# Altium PCB miniBackplane.PcbDoc (part 16 of 24) (continued)
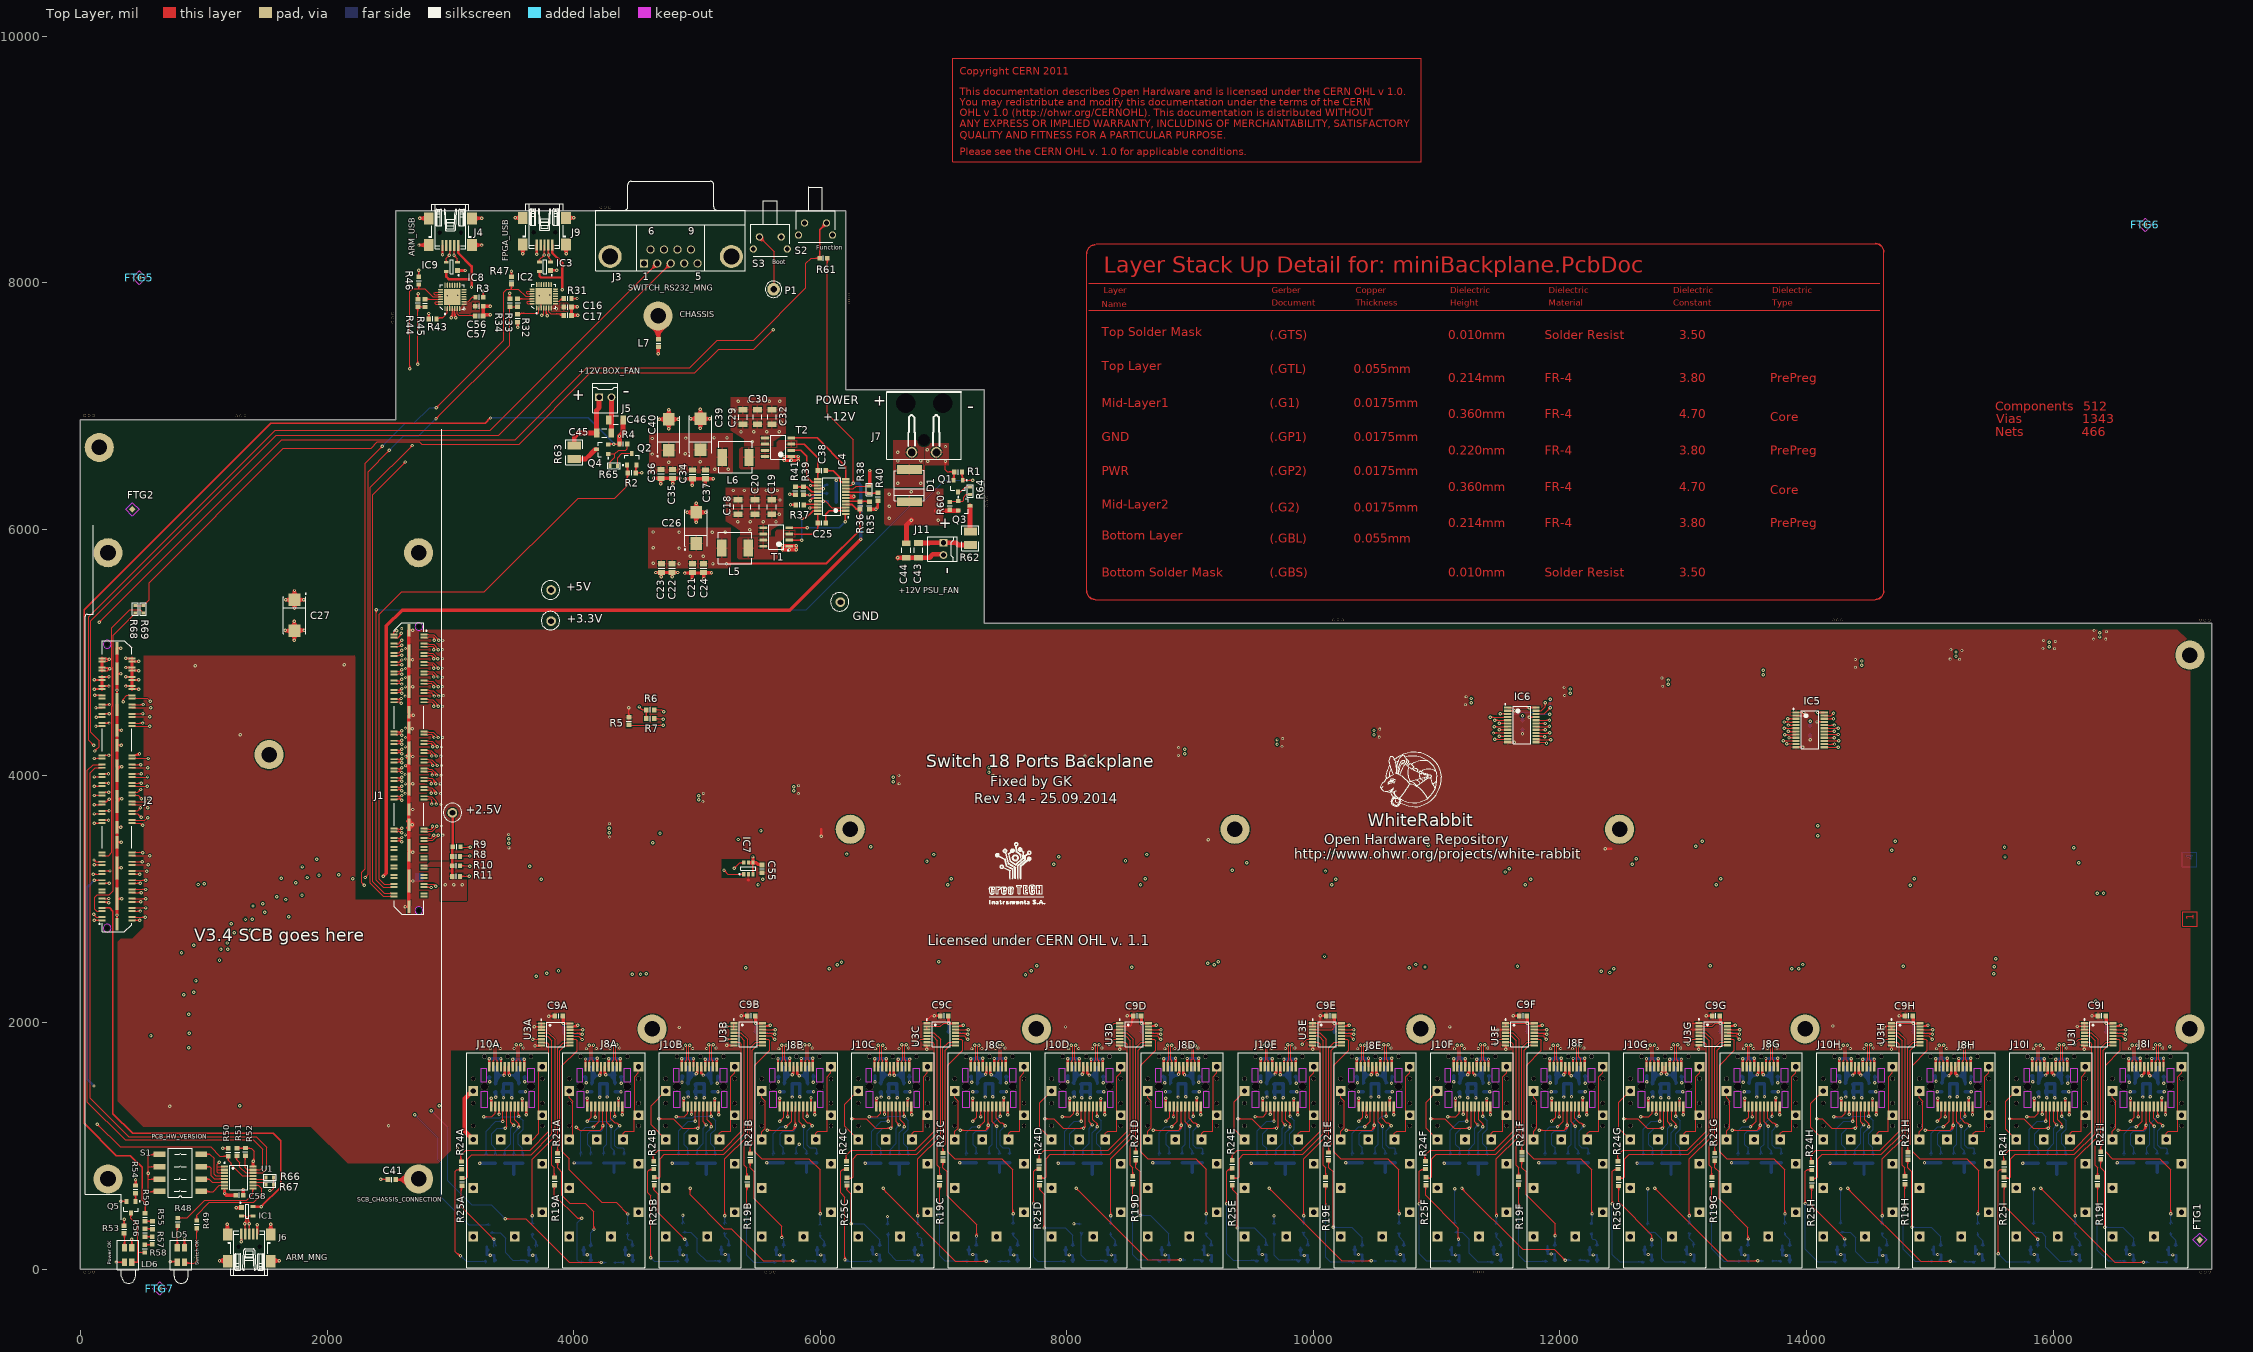
[diagram p0: Top Layer view]
## Nets (pads, with @x,y where several pads share a name; then routed paths per layer and width w, separated by ;. In a path a pad name is that pad's centre, name@x,y a point inside that pad or via, vN(x,y) a via of type N, cw(c..) or ccw(c..) an arc to the next point about the centre after c; other vN are vias at no path point) (continued)
MGTTX113_2_N: J1.28 J8F.19 | length 13186
  Top Layer w9.84: J1.28@2559.06,4672.49 2575.71,4672.49 ; J1.28@2565.87,4670.47 cw(c2578.15,4658.9) 2577.64,4675.76 ; v1(2605.71,4670.16) 2595.87,4680 ; v1(11947.01,1815.56) 11956.85,1805.72 ; J8F.19@11948.98,1673.24 11948.98,1690.56 11956.85,1698.43 11956.85,1805.72 ; 2575.71,4675 cw(c2570.54,4680.17) 2565.68,4674.7 ccw(c2570.54,4680.17) 2575.71,4675 ; 2575.71,4675 2580.71,4680 ; 2580.71,4680 cw(c2568.4,4692.31) 2564.4,4675.37 ccw(c2568.4,4692.31) 2580.71,4680 ; 2580.71,4680 cw(c2580.71,4662.8) 2597.21,4667.66 ccw(c2580.71,4662.8) 2580.71,4680 ; 2580.71,4680 2595.87,4680 ; 2595.87,4680 ccw(c2600.47,4684.6) 2602.69,4678.48 cw(c2600.47,4684.6) 2595.87,4680 ; 2595.87,4680 cw(c2591.27,4675.4) 2597.38,4673.18 ccw(c2591.27,4675.4) 2595.87,4680 ; 11948.98,1682.63 ccw(c11960.86,1682.63) 11952.46,1674.23 cw(c11960.86,1682.63) 11948.98,1682.63 ; 11948.98,1682.63 cw(c11937.1,1682.63) 11945.5,1674.23 ccw(c11937.1,1682.63) 11948.98,1682.63 ; 11956.85,1805.72 ccw(c11952.25,1801.12) 11950.03,1807.23 cw(c11952.25,1801.12) 11956.85,1805.72 ; 11956.85,1805.72 cw(c11961.45,1810.32) 11955.33,1812.54 ccw(c11961.45,1810.32) 11956.85,1805.72 ; 2593.87,4680 cw(c2593.87,4666.67) 2606.65,4670.44 ccw(c2593.87,4666.67) 2593.87,4680
  Mid-Layer 2 w7.09: v1(2605.71,4670.16) 2615.55,4680 11942,4680 11956.85,4665.15 11956.85,1825.4 v1(11947.01,1815.56) ; v1@2607.88,4672.44 ccw(c2618.2,4683.31) 2625.74,4670.35 ; v1@2611.75,4678.42 ccw(c2618.86,4688.16) 2624.89,4677.72 ; v1@2612.76,4677.58 ccw(c2624.99,4690.46) 2633.92,4675.1 ; v1@2615.6,4667.51 cw(c2629.43,4663.8) 2622.27,4676.21 ; v1@11944.36,1825.45 ccw(c11940.65,1839.28) 11953.06,1832.12 ; 11947.2,1835.59 ccw(c11960.16,1828.05) v1@11949.29,1817.73 ; 11951.95,1843.77 ccw(c11967.31,1834.84) v1@11954.43,1822.61 ; 11954.57,1834.74 ccw(c11965.01,1828.71) v1@11955.27,1821.6 ; v1@2602.92,4672.94 cw(c2619.97,4655.9) 2619.97,4680 ccw(c2619.97,4655.9) v1@2602.92,4672.94 ; v1@2607.94,4667.93 cw(c2637.07,4638.79) 2637.07,4680 ccw(c2637.07,4638.79) v1@2607.94,4667.93 ; v1@2612.95,4662.92 cw(c2654.18,4621.68) 2654.18,4680 ccw(c2654.18,4621.68) v1@2612.95,4662.92 ; v1@11939.77,1822.8 ccw(c11898.53,1864.03) 11956.85,1864.03 cw(c11898.53,1864.03) v1@11939.77,1822.8 ; v1@11944.78,1817.79 ccw(c11915.64,1846.92) 11956.85,1846.92 cw(c11915.64,1846.92) v1@11944.78,1817.79 ; v1@11949.79,1812.78 ccw(c11932.75,1829.82) 11956.85,1829.82 cw(c11932.75,1829.82) v1@11949.79,1812.78
MGTTX113_2_P: J1.26 J8F.18 | length 13142.5
  Top Layer w9.84: J1.26@2562.99,4697.49 2575.71,4697.49 ; v1(2605.71,4705.59) 2595.87,4695.75 ; J8F.18@11980.47,1673.24 11980.47,1690.56 11972.6,1698.43 11972.6,1805.72 ; v1(11982.44,1815.56) 11972.6,1805.72 ; 2577.45,4695.75 ccw(c2577.45,4717.59) 2597.55,4709.05 cw(c2577.45,4717.59) 2577.45,4695.75 ; 2577.45,4695.75 2595.87,4695.75 ; 2595.87,4695.75 ccw(c2591.27,4700.35) 2597.38,4702.57 cw(c2591.27,4700.35) 2595.87,4695.75 ; 2595.87,4695.75 cw(c2600.47,4691.15) 2602.69,4697.26 ccw(c2600.47,4691.15) 2595.87,4695.75 ; 11972.6,1805.72 ccw(c11968,1810.32) 11974.11,1812.54 cw(c11968,1810.32) 11972.6,1805.72 ; 11972.6,1805.72 cw(c11977.2,1801.12) 11979.42,1807.23 ccw(c11977.2,1801.12) 11972.6,1805.72 ; 11980.47,1682.63 ccw(c11992.35,1682.63) 11983.95,1674.23 cw(c11992.35,1682.63) 11980.47,1682.63 ; 11980.47,1682.63 cw(c11968.59,1682.63) 11976.99,1674.23 ccw(c11968.59,1682.63) 11980.47,1682.63 ; 2592.32,4695.75 ccw(c2592.32,4711.27) 2606.61,4705.21 cw(c2592.32,4711.27) 2592.32,4695.75
  Mid-Layer 2 w7.09: v1(2605.71,4705.59) 2615.55,4695.75 11948.52,4695.75 11972.6,4671.67 11972.6,1825.4 v1(11982.44,1815.56) ; v1@2607.88,4703.31 cw(c2618.2,4692.43) 2625.74,4705.4 ; v1@2611.75,4697.33 cw(c2618.86,4687.59) 2624.89,4698.03 ; v1@2612.76,4698.17 cw(c2624.99,4685.29) 2633.92,4700.65 ; v1@2615.6,4708.24 ccw(c2629.43,4711.95) 2622.27,4699.54 ; v1@11974.18,1821.6 ccw(c11964.44,1828.71) 11974.88,1834.74 ; v1@11975.02,1822.61 ccw(c11962.14,1834.84) 11977.5,1843.77 ; 11976.39,1832.12 ccw(c11988.8,1839.28) v1@11985.09,1825.45 ; v1@11980.16,1817.73 ccw(c11969.28,1828.05) 11982.25,1835.59 ; v1@2602.92,4702.81 ccw(c2619.97,4719.85) 2619.97,4695.75 cw(c2619.97,4719.85) v1@2602.92,4702.81 ; v1@2607.94,4707.82 ccw(c2637.07,4736.96) 2637.07,4695.75 cw(c2637.07,4736.96) v1@2607.94,4707.82 ; v1@2612.95,4712.83 ccw(c2654.18,4754.07) 2654.18,4695.75 cw(c2654.18,4754.07) v1@2612.95,4712.83 ; 11972.6,1829.82 ccw(c11996.7,1829.82) 11979.66,1812.78 cw(c11996.7,1829.82) 11972.6,1829.82 ; 11972.6,1846.92 ccw(c12013.81,1846.92) 11984.67,1817.79 cw(c12013.81,1846.92) 11972.6,1846.92 ; 11972.6,1864.03 ccw(c12030.92,1864.03) 11989.68,1822.8 cw(c12030.92,1864.03) 11972.6,1864.03
MGTTX113_3_N: J1.32 J10F.19 | length 12226.2
  Top Layer w9.84: J1.32@2559.06,4597.49 2575.71,4597.49 2580.33,4602.12 ; v1(2600.71,4590) 2588.59,4602.12 ; v1(11167.01,1815.56) 11176.85,1805.72 ; J10F.19@11168.98,1669.3 11168.98,1690.56 11176.85,1698.43 11176.85,1805.72 ; 2580.33,4602.12 cw(c2571.4,4611.05) 2565.18,4600.06 ccw(c2571.4,4611.05) 2580.33,4602.12 ; 2580.33,4602.12 2588.59,4602.12 ; 2588.59,4602.12 ccw(c2597.18,4610.71) 2599.22,4598.73 cw(c2597.18,4610.71) 2588.59,4602.12 ; 2588.59,4602.12 cw(c2580,4593.53) 2591.98,4591.49 ccw(c2580,4593.53) 2588.59,4602.12 ; 11168.98,1682.63 ccw(c11180.86,1682.63) 11172.46,1674.23 cw(c11180.86,1682.63) 11168.98,1682.63 ; 11168.98,1682.63 cw(c11157.1,1682.63) 11165.5,1674.23 ccw(c11157.1,1682.63) 11168.98,1682.63 ; 11176.85,1805.72 ccw(c11172.25,1801.12) 11170.03,1807.23 cw(c11172.25,1801.12) 11176.85,1805.72 ; 11176.85,1805.72 cw(c11181.45,1810.32) 11175.33,1812.54 ccw(c11181.45,1810.32) 11176.85,1805.72
  Mid-Layer 2 w7.09: v1@2602.87,4592.29 ccw(c2613.18,4603.23) 2620.76,4590.25 ; v1@2605.71,4600 11163.78,4600 11176.85,4586.93 11176.85,1825.4 v1(11167.01,1815.56) ; v1@2606.64,4598.34 ccw(c2613.88,4608.51) 2620.13,4597.7 ; v1@2607.73,4597.45 ccw(c2619.96,4610.41) 2628.94,4595.02 ; v1@2610.6,4587.35 cw(c2624.43,4583.64) 2617.27,4596.05 ; v1@11164.36,1825.45 ccw(c11160.65,1839.28) 11173.06,1832.12 ; 11167.2,1835.59 ccw(c11180.16,1828.05) v1@11169.29,1817.73 ; 11171.95,1843.77 ccw(c11187.31,1834.84) v1@11174.43,1822.61 ; 11174.57,1834.74 ccw(c11185.01,1828.71) v1@11175.27,1821.6 ; v1@2597.92,4592.78 cw(c2615.35,4575.36) 2615.35,4600 ccw(c2615.35,4575.36) v1@2597.92,4592.78 ; v1@2602.94,4587.77 cw(c2632.45,4558.25) 2632.45,4600 ccw(c2632.45,4558.25) v1@2602.94,4587.77 ; v1@2607.95,4582.76 cw(c2649.56,4541.15) 2649.56,4600 ccw(c2649.56,4541.15) v1@2607.95,4582.76 ; v1@11159.77,1822.8 ccw(c11118.53,1864.03) 11176.85,1864.03 cw(c11118.53,1864.03) v1@11159.77,1822.8 ; v1@11164.78,1817.79 ccw(c11135.64,1846.92) 11176.85,1846.92 cw(c11135.64,1846.92) v1@11164.78,1817.79 ; v1@11169.79,1812.78 ccw(c11152.75,1829.82) 11176.85,1829.82 cw(c11152.75,1829.82) v1@11169.79,1812.78
MGTTX113_3_P: J1.30 J10F.18 | length 12305.4
  Top Layer w9.84: J1.30@2559.06,4622.49 2575.71,4622.49 2580.33,4617.87 ; v1(2600.71,4627.71) 2590.87,4617.87 ; J10F.18@11200.47,1669.3 11200.47,1690.56 11192.6,1698.43 11192.6,1805.72 ; v1(11202.44,1815.56) 11192.6,1805.72 ; 2580.33,4617.87 ccw(c2571.4,4608.94) 2565.18,4619.92 cw(c2571.4,4608.94) 2580.33,4617.87 ; 2580.34,4617.87 ccw(c2580.34,4629.46) 2591.88,4628.47 cw(c2580.34,4629.46) 2580.34,4617.87 ; 2580.33,4617.87 2590.87,4617.87 ; 2590.87,4617.87 ccw(c2586.27,4622.47) 2592.38,4624.69 cw(c2586.27,4622.47) 2590.87,4617.87 ; 2590.87,4617.87 cw(c2595.47,4613.27) 2597.69,4619.38 ccw(c2595.47,4613.27) 2590.87,4617.87 ; 11192.6,1805.72 ccw(c11188,1810.32) 11194.11,1812.54 cw(c11188,1810.32) 11192.6,1805.72 ; 11192.6,1805.72 cw(c11197.2,1801.12) 11199.42,1807.23 ccw(c11197.2,1801.12) 11192.6,1805.72 ; 11200.47,1682.63 ccw(c11212.35,1682.63) 11203.95,1674.23 cw(c11212.35,1682.63) 11200.47,1682.63 ; 11200.47,1682.63 cw(c11188.59,1682.63) 11196.99,1674.23 ccw(c11188.59,1682.63) 11200.47,1682.63
  Mid-Layer 2 w7.09: v1@2602.78,4625.34 cw(c2612.92,4613.72) 2621.05,4626.83 ; v1@2605.46,4618.64 cw(c2613.96,4602.4) 2623.13,4618.28 ; v1@2605.71,4615.75 11170.3,4615.75 11192.6,4593.45 11192.6,1825.4 v1(11202.44,1815.56) ; v1@2607.44,4620 cw(c2619.52,4606.16) 2629.2,4621.77 ; v1@2610.6,4630.36 ccw(c2624.43,4634.07) 2617.27,4621.66 ; v1@11194.18,1821.6 ccw(c11184.44,1828.71) 11194.88,1834.74 ; v1@11195.02,1822.61 ccw(c11182.14,1834.84) 11197.5,1843.77 ; 11196.39,1832.12 ccw(c11208.8,1839.28) v1@11205.09,1825.45 ; v1@11200.16,1817.73 ccw(c11189.28,1828.05) 11202.25,1835.59 ; v1@2597.92,4624.92 ccw(c2620.08,4647.08) 2620.08,4615.75 cw(c2620.08,4647.08) v1@2597.92,4624.92 ; v1@2602.94,4629.94 ccw(c2637.19,4664.19) 2637.19,4615.75 cw(c2637.19,4664.19) v1@2602.94,4629.94 ; v1@2607.95,4634.95 ccw(c2654.3,4681.3) 2654.3,4615.75 cw(c2654.3,4681.3) v1@2607.95,4634.95 ; 11192.6,1829.82 ccw(c11216.7,1829.82) 11199.66,1812.78 cw(c11216.7,1829.82) 11192.6,1829.82 ; 11192.6,1846.92 ccw(c11233.81,1846.92) 11204.67,1817.79 cw(c11233.81,1846.92) 11192.6,1846.92 ; 11192.6,1864.03 ccw(c11250.92,1864.03) 11209.68,1822.8 cw(c11250.92,1864.03) 11192.6,1864.03
MGTTX114_0_N: J1.36 J8E.19 | length 11240.9
  Top Layer w9.84: J1.36@2562.99,4334.99 2575.71,4334.99 2580.71,4340 ; v1(2605.71,4330.16) 2595.87,4340 ; v1(10382.44,1815.56) 10392.28,1805.72 ; J8E.19@10384.41,1673.24 10384.41,1690.56 10392.28,1698.43 10392.28,1805.72 ; 2580.71,4340 cw(c2571.27,4349.44) 2565.09,4337.61 ccw(c2571.27,4349.44) 2580.71,4340 ; 2580.71,4340 cw(c2580.71,4322.8) 2597.21,4327.66 ccw(c2580.71,4322.8) 2580.71,4340 ; 2580.71,4340 2595.87,4340 ; 2595.87,4340 ccw(c2600.47,4344.6) 2602.69,4338.48 cw(c2600.47,4344.6) 2595.87,4340 ; 2595.87,4340 cw(c2591.27,4335.4) 2597.38,4333.18 ccw(c2591.27,4335.4) 2595.87,4340 ; 10384.41,1682.63 ccw(c10396.29,1682.63) 10387.89,1674.23 cw(c10396.29,1682.63) 10384.41,1682.63 ; 10384.41,1682.63 cw(c10372.53,1682.63) 10380.93,1674.23 ccw(c10372.53,1682.63) 10384.41,1682.63 ; 10392.28,1805.72 ccw(c10387.68,1801.12) 10385.46,1807.23 cw(c10387.68,1801.12) 10392.28,1805.72 ; 10392.28,1805.72 cw(c10396.88,1810.32) 10390.77,1812.54 ccw(c10396.88,1810.32) 10392.28,1805.72 ; 2593.87,4340 cw(c2593.87,4326.67) 2606.65,4330.44 ccw(c2593.87,4326.67) 2593.87,4340
  Mid-Layer 2 w7.09: v1(2605.71,4330.16) 2615.55,4340 10377.95,4340 10392.28,4325.67 10392.28,1825.4 v1(10382.44,1815.56) ; v1@2607.88,4332.44 ccw(c2618.2,4343.31) 2625.74,4330.35 ; v1@2611.75,4338.42 ccw(c2618.86,4348.16) 2624.89,4337.72 ; v1@2612.76,4337.58 ccw(c2624.99,4350.46) 2633.92,4335.1 ; v1@2615.6,4327.51 cw(c2629.43,4323.8) 2622.27,4336.21 ; v1@10379.79,1825.45 ccw(c10376.08,1839.28) 10388.49,1832.12 ; 10382.63,1835.59 ccw(c10395.6,1828.05) v1@10384.72,1817.73 ; 10387.38,1843.77 ccw(c10402.75,1834.84) v1@10389.86,1822.61 ; 10390,1834.74 ccw(c10400.44,1828.71) v1@10390.71,1821.6 ; v1@2602.92,4332.94 cw(c2619.97,4315.9) 2619.97,4340 ccw(c2619.97,4315.9) v1@2602.92,4332.94 ; v1@2607.94,4327.93 cw(c2637.07,4298.79) 2637.07,4340 ccw(c2637.07,4298.79) v1@2607.94,4327.93 ; v1@2612.95,4322.92 cw(c2654.18,4281.68) 2654.18,4340 ccw(c2654.18,4281.68) v1@2612.95,4322.92 ; v1@10375.2,1822.8 ccw(c10333.97,1864.03) 10392.28,1864.03 cw(c10333.97,1864.03) v1@10375.2,1822.8 ; v1@10380.21,1817.79 ccw(c10351.08,1846.92) 10392.28,1846.92 cw(c10351.08,1846.92) v1@10380.21,1817.79 ; v1@10385.22,1812.78 ccw(c10368.18,1829.82) 10392.28,1829.82 cw(c10368.18,1829.82) v1@10385.22,1812.78
MGTTX114_0_P: J1.34 J8E.18 | length 11270.7
  Top Layer w9.84: J1.34@2562.99,4359.99 2575.71,4359.99 2579.95,4355.75 ; v1(2605.71,4365.59) 2595.87,4355.75 ; J8E.18@10415.91,1669.3 10415.91,1690.56 10408.03,1698.43 10408.03,1805.72 ; v1(10417.87,1815.56) 10408.03,1805.72 ; 2579.95,4355.75 ccw(c2571.51,4347.31) 2565.27,4357.48 cw(c2571.51,4347.31) 2579.95,4355.75 ; 2579.95,4355.75 ccw(c2579.95,4373.98) 2597.29,4368.33 cw(c2579.95,4373.98) 2579.95,4355.75 ; 2579.95,4355.75 2595.87,4355.75 ; 2595.87,4355.75 ccw(c2591.27,4360.35) 2597.38,4362.57 cw(c2591.27,4360.35) 2595.87,4355.75 ; 2595.87,4355.75 cw(c2600.47,4351.15) 2602.69,4357.26 ccw(c2600.47,4351.15) 2595.87,4355.75 ; 10408.03,1805.72 ccw(c10403.43,1810.32) 10409.55,1812.54 cw(c10403.43,1810.32) 10408.03,1805.72 ; 10408.03,1805.72 cw(c10412.63,1801.12) 10414.85,1807.23 ccw(c10412.63,1801.12) 10408.03,1805.72 ; 10415.91,1682.63 ccw(c10427.79,1682.63) 10419.39,1674.23 cw(c10427.79,1682.63) 10415.91,1682.63 ; 10415.91,1682.63 cw(c10404.02,1682.63) 10412.43,1674.23 ccw(c10404.02,1682.63) 10415.91,1682.63 ; 2593.51,4355.75 ccw(c2593.51,4369.56) 2606.64,4365.29 cw(c2593.51,4369.56) 2593.51,4355.75
  Mid-Layer 2 w7.09: v1(2605.71,4365.59) 2615.55,4355.75 10384.48,4355.75 10408.03,4332.19 10408.03,1825.4 v1(10417.87,1815.56) ; v1@2607.88,4363.31 cw(c2618.2,4352.43) 2625.74,4365.4 ; v1@2611.75,4357.33 cw(c2618.86,4347.59) 2624.89,4358.03 ; v1@2612.76,4358.17 cw(c2624.99,4345.29) 2633.92,4360.65 ; v1@2615.6,4368.24 ccw(c2629.43,4371.95) 2622.27,4359.54 ; v1@10409.61,1821.6 ccw(c10399.87,1828.71) 10410.31,1834.74 ; v1@10410.45,1822.61 ccw(c10397.57,1834.84) 10412.93,1843.77 ; 10411.83,1832.12 ccw(c10424.23,1839.28) v1@10420.52,1825.45 ; v1@10415.59,1817.73 ccw(c10404.72,1828.05) 10417.68,1835.59 ; v1@2602.92,4362.81 ccw(c2619.97,4379.85) 2619.97,4355.75 cw(c2619.97,4379.85) v1@2602.92,4362.81 ; v1@2607.94,4367.82 ccw(c2637.07,4396.96) 2637.07,4355.75 cw(c2637.07,4396.96) v1@2607.94,4367.82 ; v1@2612.95,4372.83 ccw(c2654.18,4414.07) 2654.18,4355.75 cw(c2654.18,4414.07) v1@2612.95,4372.83 ; 10408.03,1829.82 ccw(c10432.13,1829.82) 10415.09,1812.78 cw(c10432.13,1829.82) 10408.03,1829.82 ; 10408.03,1846.92 ccw(c10449.24,1846.92) 10420.1,1817.79 cw(c10449.24,1846.92) 10408.03,1846.92 ; 10408.03,1864.03 ccw(c10466.35,1864.03) 10425.11,1822.8 cw(c10466.35,1864.03) 10408.03,1864.03
MGTTX114_1_N: J1.40 J10E.19 | length 10388.4
  Top Layer w9.84: J1.40@2562.99,4259.99 2575.71,4259.99 2580.72,4265 ; v1(2605.71,4255.16) 2595.87,4265 ; v1(9602.44,1815.56) 9612.28,1805.72 ; J10E.19@9604.41,1673.24 9604.41,1690.56 9612.28,1698.43 9612.28,1805.72 ; 2580.72,4265 cw(c2571.28,4274.44) 2565.09,4262.61 ccw(c2571.28,4274.44) 2580.72,4265 ; 2580.72,4265 cw(c2580.72,4247.81) 2597.21,4252.66 ccw(c2580.72,4247.81) 2580.72,4265 ; 2580.72,4265 2595.87,4265 ; 2595.87,4265 ccw(c2600.47,4269.6) 2602.69,4263.48 cw(c2600.47,4269.6) 2595.87,4265 ; 2595.87,4265 cw(c2591.27,4260.4) 2597.38,4258.18 ccw(c2591.27,4260.4) 2595.87,4265 ; 9604.41,1682.63 ccw(c9616.29,1682.63) 9607.89,1674.23 cw(c9616.29,1682.63) 9604.41,1682.63 ; 9604.41,1682.63 cw(c9592.53,1682.63) 9600.93,1674.23 ccw(c9592.53,1682.63) 9604.41,1682.63 ; 9612.28,1805.72 ccw(c9607.68,1801.12) 9605.46,1807.23 cw(c9607.68,1801.12) 9612.28,1805.72 ; 9612.28,1805.72 cw(c9616.88,1810.32) 9610.77,1812.54 ccw(c9616.88,1810.32) 9612.28,1805.72 ; 2593.87,4265 cw(c2593.87,4251.68) 2606.65,4255.44 ccw(c2593.87,4251.68) 2593.87,4265
  Mid-Layer 2 w7.09: v1(2605.71,4255.16) 2615.55,4265 9602.36,4265 9612.28,4255.08 9612.28,1825.4 v1(9602.44,1815.56) ; v1@2607.88,4257.44 ccw(c2618.2,4268.31) 2625.74,4255.35 ; v1@2611.75,4263.42 ccw(c2618.86,4273.16) 2624.89,4262.72 ; v1@2612.76,4262.58 ccw(c2624.99,4275.46) 2633.92,4260.1 ; v1@2615.6,4252.51 cw(c2629.43,4248.8) 2622.27,4261.21 ; v1@9599.79,1825.45 ccw(c9596.08,1839.28) 9608.49,1832.12 ; 9602.63,1835.59 ccw(c9615.6,1828.05) v1@9604.72,1817.73 ; 9607.38,1843.77 ccw(c9622.75,1834.84) v1@9609.86,1822.61 ; 9610,1834.74 ccw(c9620.44,1828.71) v1@9610.71,1821.6 ; v1@2602.92,4257.94 cw(c2619.97,4240.9) 2619.97,4265 ccw(c2619.97,4240.9) v1@2602.92,4257.94 ; v1@2607.94,4252.93 cw(c2637.07,4223.79) 2637.07,4265 ccw(c2637.07,4223.79) v1@2607.94,4252.93 ; v1@2612.95,4247.92 cw(c2654.18,4206.68) 2654.18,4265 ccw(c2654.18,4206.68) v1@2612.95,4247.92 ; v1@9595.2,1822.8 ccw(c9553.97,1864.03) 9612.28,1864.03 cw(c9553.97,1864.03) v1@9595.2,1822.8 ; v1@9600.21,1817.79 ccw(c9571.08,1846.92) 9612.28,1846.92 cw(c9571.08,1846.92) v1@9600.21,1817.79 ; v1@9605.22,1812.78 ccw(c9588.18,1829.82) 9612.28,1829.82 cw(c9588.18,1829.82) v1@9605.22,1812.78
MGTTX114_1_P: J1.38 J10E.18 | length 10414.4
  Top Layer w9.84: J1.38@2562.99,4284.99 2575.71,4284.99 2579.95,4280.75 ; v1(2605.71,4290.59) 2595.87,4280.75 ; J10E.18@9635.91,1673.24 9635.91,1690.56 9628.03,1698.43 9628.03,1805.72 ; v1(9637.87,1815.56) 9628.03,1805.72 ; 2579.95,4280.75 ccw(c2571.51,4272.31) 2565.27,4282.48 cw(c2571.51,4272.31) 2579.95,4280.75 ; 2579.95,4280.75 ccw(c2579.95,4298.98) 2597.29,4293.33 cw(c2579.95,4298.98) 2579.95,4280.75 ; 2579.95,4280.75 2595.87,4280.75 ; 2595.87,4280.75 ccw(c2591.27,4285.35) 2597.38,4287.57 cw(c2591.27,4285.35) 2595.87,4280.75 ; 2595.87,4280.75 cw(c2600.47,4276.15) 2602.69,4282.26 ccw(c2600.47,4276.15) 2595.87,4280.75 ; 9628.03,1805.72 ccw(c9623.43,1810.32) 9629.55,1812.54 cw(c9623.43,1810.32) 9628.03,1805.72 ; 9628.03,1805.72 cw(c9632.63,1801.12) 9634.85,1807.23 ccw(c9632.63,1801.12) 9628.03,1805.72 ; 9635.91,1682.63 ccw(c9647.79,1682.63) 9639.39,1674.23 cw(c9647.79,1682.63) 9635.91,1682.63 ; 9635.91,1682.63 cw(c9624.02,1682.63) 9632.43,1674.23 ccw(c9624.02,1682.63) 9635.91,1682.63 ; 2593.51,4280.75 ccw(c2593.51,4294.56) 2606.64,4290.29 cw(c2593.51,4294.56) 2593.51,4280.75
  Mid-Layer 2 w7.09: v1(2605.71,4290.59) 2615.55,4280.75 9608.89,4280.75 9628.03,4261.6 9628.03,1825.4 v1(9637.87,1815.56) ; v1@2607.88,4288.31 cw(c2618.2,4277.43) 2625.74,4290.4 ; v1@2611.75,4282.33 cw(c2618.86,4272.59) 2624.89,4283.03 ; v1@2612.76,4283.17 cw(c2624.99,4270.29) 2633.92,4285.65 ; v1@2615.6,4293.24 ccw(c2629.43,4296.95) 2622.27,4284.54 ; v1@9629.61,1821.6 ccw(c9619.87,1828.71) 9630.31,1834.74 ; v1@9630.45,1822.61 ccw(c9617.57,1834.84) 9632.93,1843.77 ; 9631.83,1832.12 ccw(c9644.23,1839.28) v1@9640.52,1825.45 ; v1@9635.59,1817.73 ccw(c9624.72,1828.05) 9637.68,1835.59 ; v1@2602.92,4287.81 ccw(c2619.97,4304.85) 2619.97,4280.75 cw(c2619.97,4304.85) v1@2602.92,4287.81 ; v1@2607.94,4292.82 ccw(c2637.07,4321.96) 2637.07,4280.75 cw(c2637.07,4321.96) v1@2607.94,4292.82 ; v1@2612.95,4297.83 ccw(c2654.18,4339.07) 2654.18,4280.75 cw(c2654.18,4339.07) v1@2612.95,4297.83 ; 9628.03,1829.82 ccw(c9652.13,1829.82) 9635.09,1812.78 cw(c9652.13,1829.82) 9628.03,1829.82 ; 9628.03,1846.92 ccw(c9669.24,1846.92) 9640.1,1817.79 cw(c9669.24,1846.92) 9628.03,1846.92 ; 9628.03,1864.03 ccw(c9686.35,1864.03) 9645.11,1822.8 cw(c9686.35,1864.03) 9628.03,1864.03
MGTTX114_2_N: J1.44 J8D.19 | length 9530.3
  Top Layer w9.84: J1.44@2562.99,4184.99 2575.71,4184.99 2580.71,4190 ; v1(2605.71,4180.16) 2595.87,4190 ; v1(8817.44,1815.56) 8827.28,1805.72 ; J8D.19@8819.41,1665.36 8819.41,1690.56 8827.28,1698.43 8827.28,1805.72 ; 2580.71,4190 cw(c2571.27,4199.44) 2565.09,4187.61 ccw(c2571.27,4199.44) 2580.71,4190 ; 2580.71,4190 cw(c2580.71,4172.8) 2597.21,4177.66 ccw(c2580.71,4172.8) 2580.71,4190 ; 2580.71,4190 2595.87,4190 ; 2595.87,4190 ccw(c2600.47,4194.6) 2602.69,4188.48 cw(c2600.47,4194.6) 2595.87,4190 ; 2595.87,4190 cw(c2591.27,4185.4) 2597.38,4183.18 ccw(c2591.27,4185.4) 2595.87,4190 ; 8819.41,1682.63 ccw(c8831.29,1682.63) 8822.89,1674.23 cw(c8831.29,1682.63) 8819.41,1682.63 ; 8819.41,1682.63 cw(c8807.53,1682.63) 8815.93,1674.23 ccw(c8807.53,1682.63) 8819.41,1682.63 ; 8827.28,1805.72 ccw(c8822.68,1801.12) 8820.46,1807.23 cw(c8822.68,1801.12) 8827.28,1805.72 ; 8827.28,1805.72 cw(c8831.88,1810.32) 8825.77,1812.54 ccw(c8831.88,1810.32) 8827.28,1805.72 ; 2593.87,4190 cw(c2593.87,4176.67) 2606.65,4180.44 ccw(c2593.87,4176.67) 2593.87,4190
  Mid-Layer 2 w7.09: v1(2605.71,4180.16) 2615.55,4190 8807.09,4190 8827.28,4169.8 8827.28,1825.4 v1(8817.44,1815.56) ; v1@2607.88,4182.44 ccw(c2618.2,4193.31) 2625.74,4180.35 ; v1@2611.75,4188.42 ccw(c2618.86,4198.16) 2624.89,4187.72 ; v1@2612.76,4187.58 ccw(c2624.99,4200.46) 2633.92,4185.1 ; v1@2615.6,4177.51 cw(c2629.43,4173.8) 2622.27,4186.21 ; v1@8814.79,1825.45 ccw(c8811.08,1839.28) 8823.49,1832.12 ; 8817.63,1835.59 ccw(c8830.6,1828.05) v1@8819.72,1817.73 ; 8822.38,1843.77 ccw(c8837.75,1834.84) v1@8824.86,1822.61 ; 8825,1834.74 ccw(c8835.44,1828.71) v1@8825.71,1821.6 ; v1@2602.92,4182.94 cw(c2619.97,4165.9) 2619.97,4190 ccw(c2619.97,4165.9) v1@2602.92,4182.94 ; v1@2607.94,4177.93 cw(c2637.07,4148.79) 2637.07,4190 ccw(c2637.07,4148.79) v1@2607.94,4177.93 ; v1@2612.95,4172.92 cw(c2654.18,4131.68) 2654.18,4190 ccw(c2654.18,4131.68) v1@2612.95,4172.92 ; v1@8810.2,1822.8 ccw(c8768.97,1864.03) 8827.28,1864.03 cw(c8768.97,1864.03) v1@8810.2,1822.8 ; v1@8815.21,1817.79 ccw(c8786.08,1846.92) 8827.28,1846.92 cw(c8786.08,1846.92) v1@8815.21,1817.79 ; v1@8820.22,1812.78 ccw(c8803.18,1829.82) 8827.28,1829.82 cw(c8803.18,1829.82) v1@8820.22,1812.78
MGTTX114_2_P: J1.42 J8D.18 | length 9552.3
  Top Layer w9.84: J1.42@2562.99,4209.99 2575.71,4209.99 2579.95,4205.75 ; v1(2605.71,4215.59) 2595.87,4205.75 ; J8D.18@8850.91,1669.3 8850.91,1690.56 8843.03,1698.43 8843.03,1805.72 ; v1(8852.87,1815.56) 8843.03,1805.72 ; 2579.95,4205.75 ccw(c2571.51,4197.31) 2565.27,4207.48 cw(c2571.51,4197.31) 2579.95,4205.75 ; 2579.95,4205.75 ccw(c2579.95,4223.98) 2597.29,4218.33 cw(c2579.95,4223.98) 2579.95,4205.75 ; 2579.95,4205.75 2595.87,4205.75 ; 2595.87,4205.75 ccw(c2591.27,4210.35) 2597.38,4212.57 cw(c2591.27,4210.35) 2595.87,4205.75 ; 2595.87,4205.75 cw(c2600.47,4201.15) 2602.69,4207.26 ccw(c2600.47,4201.15) 2595.87,4205.75 ; 8843.03,1805.72 ccw(c8838.43,1810.32) 8844.55,1812.54 cw(c8838.43,1810.32) 8843.03,1805.72 ; 8843.03,1805.72 cw(c8847.63,1801.12) 8849.85,1807.23 ccw(c8847.63,1801.12) 8843.03,1805.72 ; 8850.91,1682.63 ccw(c8862.79,1682.63) 8854.39,1674.23 cw(c8862.79,1682.63) 8850.91,1682.63 ; 8850.91,1682.63 cw(c8839.02,1682.63) 8847.43,1674.23 ccw(c8839.02,1682.63) 8850.91,1682.63 ; 2593.51,4205.75 ccw(c2593.51,4219.56) 2606.64,4215.29 cw(c2593.51,4219.56) 2593.51,4205.75
  Mid-Layer 2 w7.09: v1(2605.71,4215.59) 2615.55,4205.75 8813.61,4205.75 8843.03,4176.33 8843.03,1825.4 v1(8852.87,1815.56) ; v1@2607.88,4213.31 cw(c2618.2,4202.43) 2625.74,4215.4 ; v1@2611.75,4207.33 cw(c2618.86,4197.59) 2624.89,4208.03 ; v1@2612.76,4208.17 cw(c2624.99,4195.29) 2633.92,4210.65 ; v1@2615.6,4218.24 ccw(c2629.43,4221.95) 2622.27,4209.54 ; v1@8844.61,1821.6 ccw(c8834.87,1828.71) 8845.31,1834.74 ; v1@8845.45,1822.61 ccw(c8832.57,1834.84) 8847.93,1843.77 ; 8846.83,1832.12 ccw(c8859.23,1839.28) v1@8855.52,1825.45 ; v1@8850.59,1817.73 ccw(c8839.72,1828.05) 8852.68,1835.59 ; v1@2602.92,4212.81 ccw(c2619.97,4229.85) 2619.97,4205.75 cw(c2619.97,4229.85) v1@2602.92,4212.81 ; v1@2607.94,4217.82 ccw(c2637.07,4246.96) 2637.07,4205.75 cw(c2637.07,4246.96) v1@2607.94,4217.82 ; v1@2612.95,4222.83 ccw(c2654.18,4264.07) 2654.18,4205.75 cw(c2654.18,4264.07) v1@2612.95,4222.83 ; 8843.03,1829.82 ccw(c8867.13,1829.82) 8850.09,1812.78 cw(c8867.13,1829.82) 8843.03,1829.82 ; 8843.03,1846.92 ccw(c8884.24,1846.92) 8855.1,1817.79 cw(c8884.24,1846.92) 8843.03,1846.92 ; 8843.03,1864.03 ccw(c8901.35,1864.03) 8860.11,1822.8 cw(c8901.35,1864.03) 8843.03,1864.03
MGTTX114_3_N: J1.48 J10D.19 | length 8671.9
  Top Layer w9.84: J1.48@2562.99,4109.99 2575.71,4109.99 2580.72,4115 ; v1(2605.71,4105.16) 2595.87,4115 ; v1(8037.44,1815.56) 8047.28,1805.72 ; J10D.19@8039.41,1669.3 8039.41,1690.56 8047.28,1698.43 8047.28,1805.72 ; 2580.72,4115 cw(c2571.28,4124.44) 2565.09,4112.61 ccw(c2571.28,4124.44) 2580.72,4115 ; 2580.72,4115 cw(c2580.72,4097.81) 2597.21,4102.66 ccw(c2580.72,4097.81) 2580.72,4115 ; 2580.72,4115 2595.87,4115 ; 2595.87,4115 ccw(c2600.47,4119.6) 2602.69,4113.48 cw(c2600.47,4119.6) 2595.87,4115 ; 2595.87,4115 cw(c2591.27,4110.4) 2597.38,4108.18 ccw(c2591.27,4110.4) 2595.87,4115 ; 8039.41,1682.63 ccw(c8051.29,1682.63) 8042.89,1674.23 cw(c8051.29,1682.63) 8039.41,1682.63 ; 8039.41,1682.63 cw(c8027.53,1682.63) 8035.93,1674.23 ccw(c8027.53,1682.63) 8039.41,1682.63 ; 8047.28,1805.72 ccw(c8042.68,1801.12) 8040.46,1807.23 cw(c8042.68,1801.12) 8047.28,1805.72 ; 8047.28,1805.72 cw(c8051.88,1810.32) 8045.77,1812.54 ccw(c8051.88,1810.32) 8047.28,1805.72 ; 2593.87,4115 cw(c2593.87,4101.68) 2606.65,4105.44 ccw(c2593.87,4101.68) 2593.87,4115
  Mid-Layer 2 w7.09: v1(2605.71,4105.16) 2615.55,4115 8028.08,4115 8047.28,4095.8 8047.28,1825.4 v1(8037.44,1815.56) ; v1@2607.88,4107.44 ccw(c2618.2,4118.31) 2625.74,4105.35 ; v1@2611.75,4113.42 ccw(c2618.86,4123.16) 2624.89,4112.72 ; v1@2612.76,4112.58 ccw(c2624.99,4125.46) 2633.92,4110.1 ; v1@2615.6,4102.51 cw(c2629.43,4098.8) 2622.27,4111.21 ; v1@8034.79,1825.45 ccw(c8031.08,1839.28) 8043.49,1832.12 ; 8037.63,1835.59 ccw(c8050.6,1828.05) v1@8039.72,1817.73 ; 8042.38,1843.77 ccw(c8057.75,1834.84) v1@8044.86,1822.61 ; 8045,1834.74 ccw(c8055.44,1828.71) v1@8045.71,1821.6 ; v1@2602.92,4107.94 cw(c2619.97,4090.9) 2619.97,4115 ccw(c2619.97,4090.9) v1@2602.92,4107.94 ; v1@2607.94,4102.93 cw(c2637.07,4073.79) 2637.07,4115 ccw(c2637.07,4073.79) v1@2607.94,4102.93 ; v1@2612.95,4097.92 cw(c2654.18,4056.68) 2654.18,4115 ccw(c2654.18,4056.68) v1@2612.95,4097.92 ; v1@8030.2,1822.8 ccw(c7988.97,1864.03) 8047.28,1864.03 cw(c7988.97,1864.03) v1@8030.2,1822.8 ; v1@8035.21,1817.79 ccw(c8006.08,1846.92) 8047.28,1846.92 cw(c8006.08,1846.92) v1@8035.21,1817.79 ; v1@8040.22,1812.78 ccw(c8023.18,1829.82) 8047.28,1829.82 cw(c8023.18,1829.82) v1@8040.22,1812.78
MGTTX114_3_P: J1.46 J10D.18 | length 8697.9
  Top Layer w9.84: J1.46@2562.99,4134.99 2575.71,4134.99 2579.95,4130.75 ; v1(2605.71,4140.59) 2595.87,4130.75 ; J10D.18@8070.91,1669.3 8070.91,1690.56 8063.03,1698.43 8063.03,1805.72 ; v1(8072.87,1815.56) 8063.03,1805.72 ; 2579.95,4130.75 ccw(c2571.51,4122.31) 2565.27,4132.48 cw(c2571.51,4122.31) 2579.95,4130.75 ; 2579.95,4130.75 ccw(c2579.95,4148.98) 2597.29,4143.33 cw(c2579.95,4148.98) 2579.95,4130.75 ; 2579.95,4130.75 2595.87,4130.75 ; 2595.87,4130.75 ccw(c2591.27,4135.35) 2597.38,4137.57 cw(c2591.27,4135.35) 2595.87,4130.75 ; 2595.87,4130.75 cw(c2600.47,4126.15) 2602.69,4132.26 ccw(c2600.47,4126.15) 2595.87,4130.75 ; 8063.03,1805.72 ccw(c8058.43,1810.32) 8064.55,1812.54 cw(c8058.43,1810.32) 8063.03,1805.72 ; 8063.03,1805.72 cw(c8067.63,1801.12) 8069.85,1807.23 ccw(c8067.63,1801.12) 8063.03,1805.72 ; 8070.91,1682.63 ccw(c8082.79,1682.63) 8074.39,1674.23 cw(c8082.79,1682.63) 8070.91,1682.63 ; 8070.91,1682.63 cw(c8059.02,1682.63) 8067.43,1674.23 ccw(c8059.02,1682.63) 8070.91,1682.63 ; 2593.51,4130.75 ccw(c2593.51,4144.56) 2606.64,4140.29 cw(c2593.51,4144.56) 2593.51,4130.75
  Mid-Layer 2 w7.09: v1(2605.71,4140.59) 2615.55,4130.75 8034.61,4130.75 8063.03,4102.32 8063.03,1825.4 v1(8072.87,1815.56) ; v1@2607.88,4138.31 cw(c2618.2,4127.43) 2625.74,4140.4 ; v1@2611.75,4132.33 cw(c2618.86,4122.59) 2624.89,4133.03 ; v1@2612.76,4133.17 cw(c2624.99,4120.29) 2633.92,4135.65 ; v1@2615.6,4143.24 ccw(c2629.43,4146.95) 2622.27,4134.54 ; v1@8064.61,1821.6 ccw(c8054.87,1828.71) 8065.31,1834.74 ; v1@8065.45,1822.61 ccw(c8052.57,1834.84) 8067.93,1843.77 ; 8066.83,1832.12 ccw(c8079.23,1839.28) v1@8075.52,1825.45 ; v1@8070.59,1817.73 ccw(c8059.72,1828.05) 8072.68,1835.59 ; v1@2602.92,4137.81 ccw(c2619.97,4154.85) 2619.97,4130.75 cw(c2619.97,4154.85) v1@2602.92,4137.81 ; v1@2607.94,4142.82 ccw(c2637.07,4171.96) 2637.07,4130.75 cw(c2637.07,4171.96) v1@2607.94,4142.82 ; v1@2612.95,4147.83 ccw(c2654.18,4189.07) 2654.18,4130.75 cw(c2654.18,4189.07) v1@2612.95,4147.83 ; 8063.03,1829.82 ccw(c8087.13,1829.82) 8070.09,1812.78 cw(c8087.13,1829.82) 8063.03,1829.82 ; 8063.03,1846.92 ccw(c8104.24,1846.92) 8075.1,1817.79 cw(c8104.24,1846.92) 8063.03,1846.92 ; 8063.03,1864.03 ccw(c8121.35,1864.03) 8080.11,1822.8 cw(c8121.35,1864.03) 8063.03,1864.03